# KiCad board Lime_RFE_fab.kicad_pcb (continued)
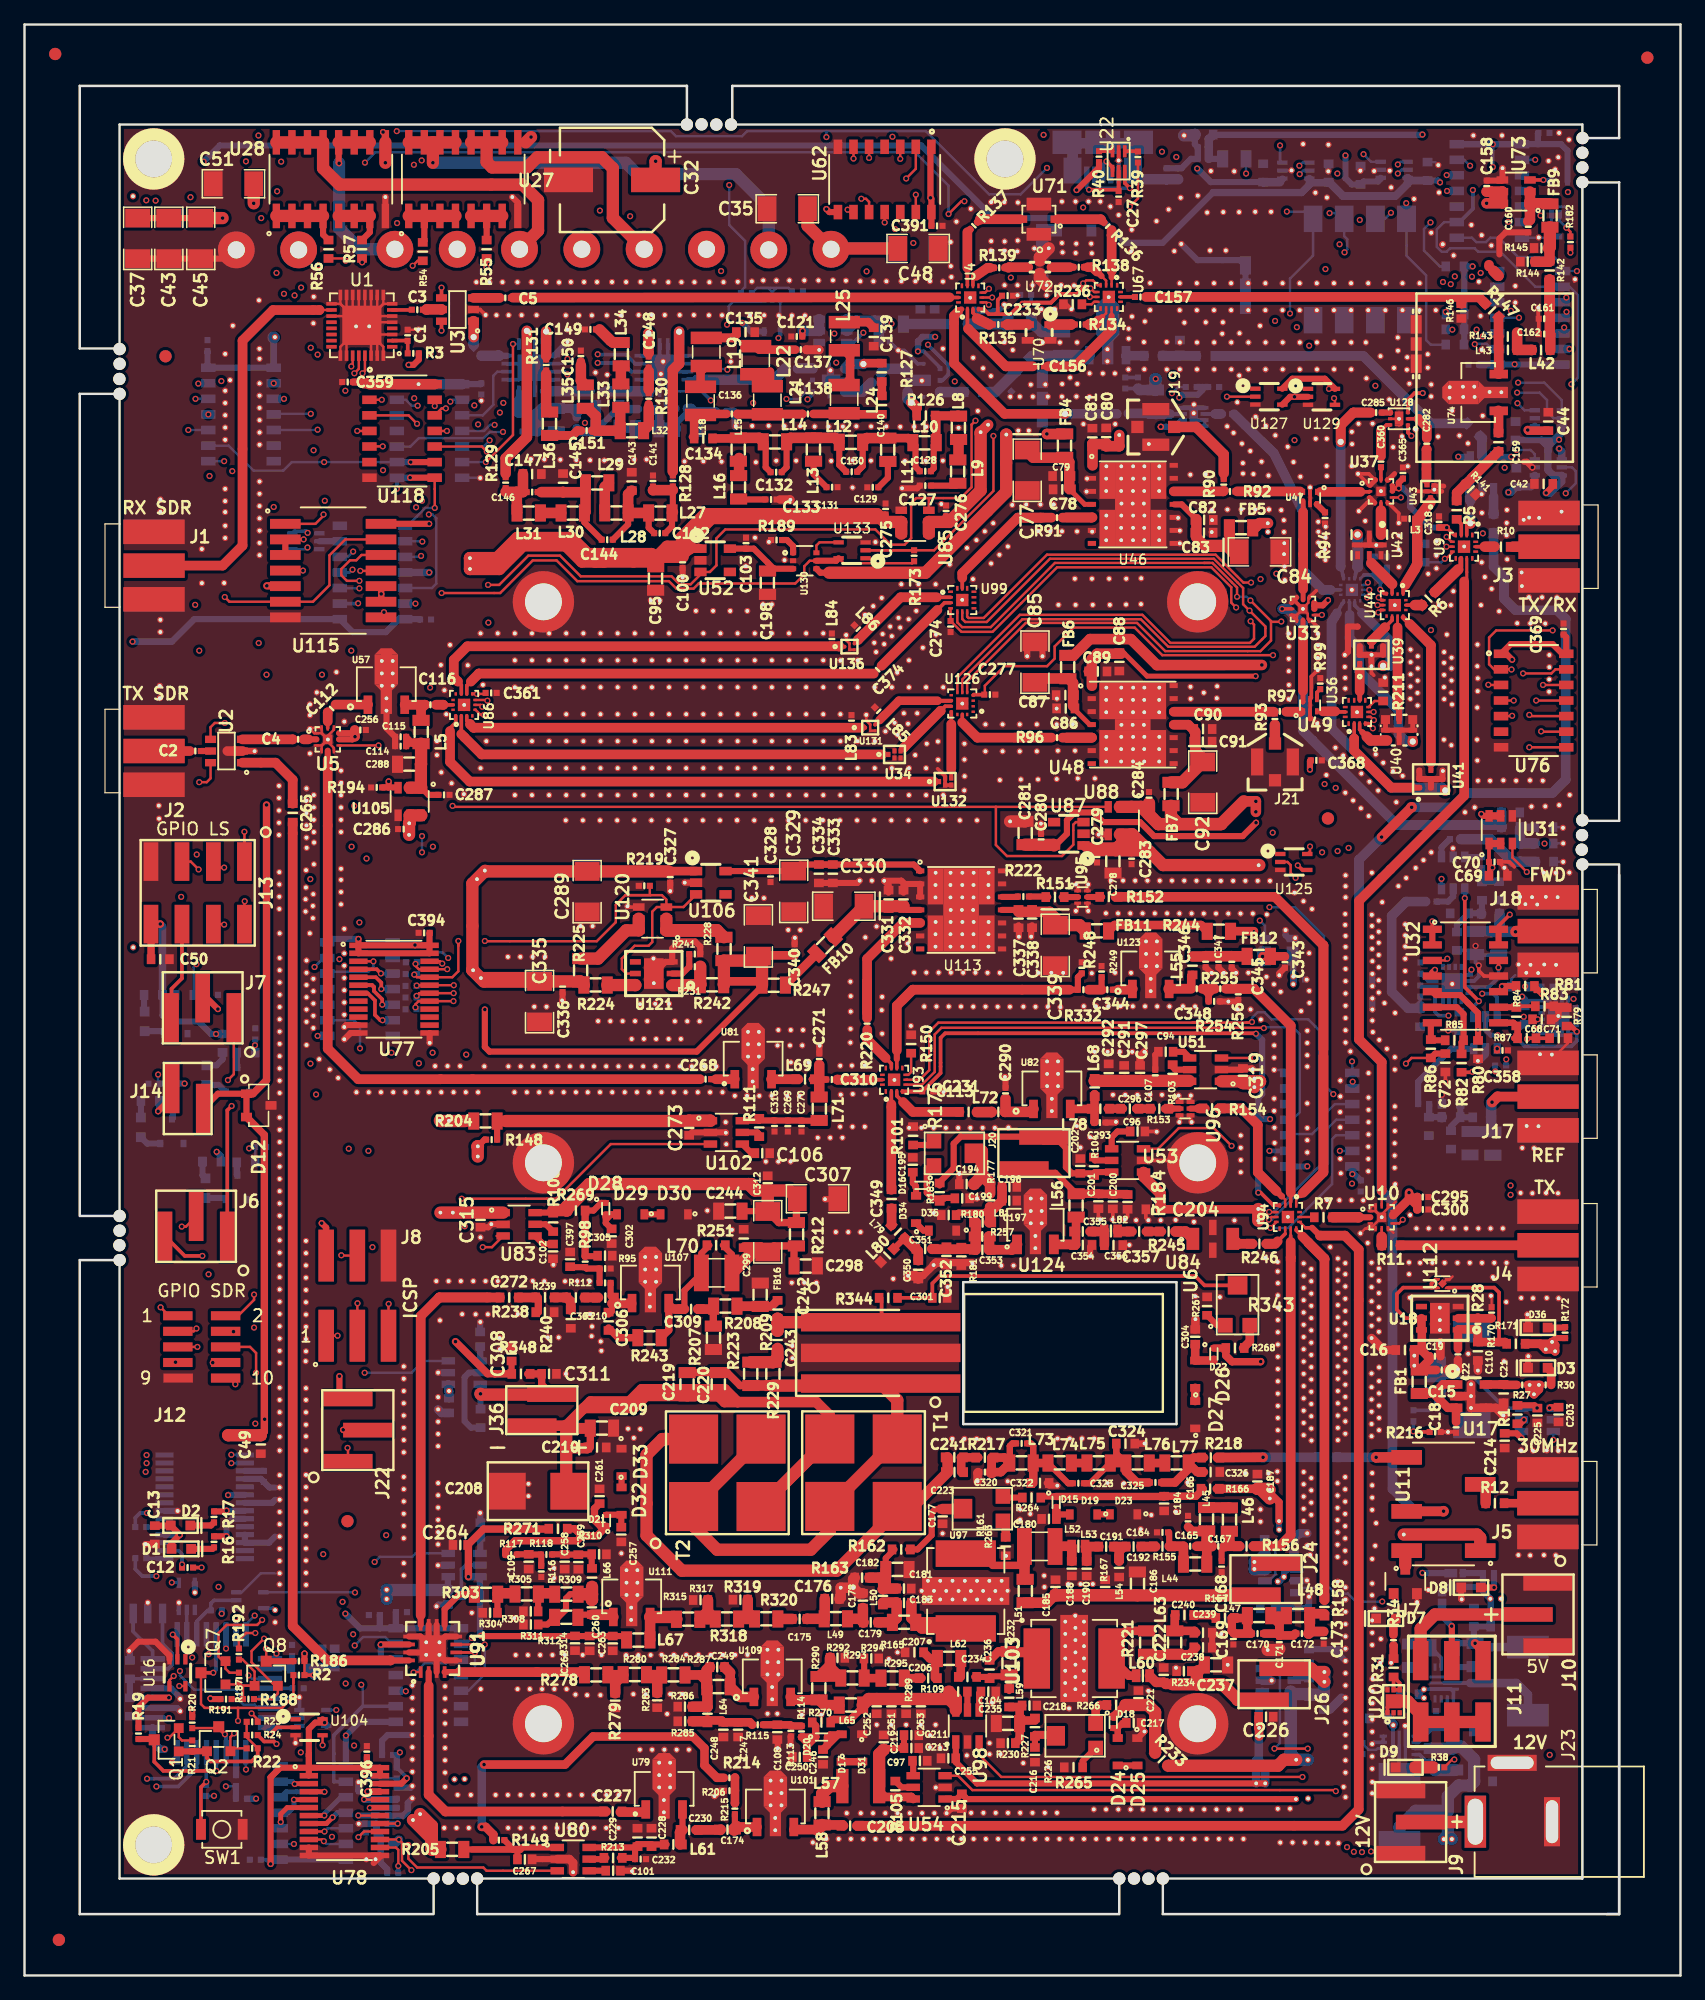
[diagram p0: board, top side]
## Placement (name value [footprint] x y rotation side) (continued)
GND_VIA#1470  VAL**  [GND_VIA]  67.35 78.56 90 top
GND_VIA#1471  VAL**  [GND_VIA]  67.33 81 90 top
GND_VIA#1472  VAL**  [GND_VIA]  67.34 77.15 90 top
GND_VIA#1473  VAL**  [GND_VIA]  67.33 76.03 90 top
GND_VIA#1474  VAL**  [GND_VIA]  68.5 74.17 90 top
GND_VIA#1475  VAL**  [GND_VIA]  67.45 74.15 90 top
GND_VIA#1476  VAL**  [GND_VIA]  66.5 74.14 90 top
GND_VIA#1477  VAL**  [GND_VIA]  62.48 74.42 90 top
GND_VIA#1478  VAL**  [GND_VIA]  63.9 74.39 90 top
GND_VIA#1479  VAL**  [GND_VIA]  66.54 71.79 90 top
GND_VIA#1480  VAL**  [GND_VIA]  67.52 71.84 90 top
GND_VIA#1481  VAL**  [GND_VIA]  68.56 71.85 90 top
GND_VIA#1482  VAL**  [GND_VIA]  62.18 71.68 90 top
GND_VIA#1483  VAL**  [GND_VIA]  63.18 71.68 90 top
GND_VIA#1484  VAL**  [GND_VIA]  68.55 84.6 90 top
GND_VIA#1485  VAL**  [GND_VIA]  69.46 85.49 90 top
GND_VIA#1486  VAL**  [GND_VIA]  71.99 84.11 90 top
GND_VIA#1487  VAL**  [GND_VIA]  70.64 82.88 90 top
GND_VIA#1488  VAL**  [GND_VIA]  80.33 78.95 90 top
GND_VIA#1489  VAL**  [GND_VIA]  79.33 78.95 90 top
GND_VIA#1490  VAL**  [GND_VIA]  77.35 78.96 90 top
GND_VIA#1491  VAL**  [GND_VIA]  78.35 78.96 90 top
GND_VIA#1492  VAL**  [GND_VIA]  74.35 78.97 90 top
GND_VIA#1493  VAL**  [GND_VIA]  73.35 78.97 90 top
GND_VIA#1494  VAL**  [GND_VIA]  75.35 78.97 90 top
GND_VIA#1495  VAL**  [GND_VIA]  76.35 78.97 90 top
GND_VIA#1496  VAL**  [GND_VIA]  81.43 78.96 90 top
GND_VIA#1497  VAL**  [GND_VIA]  82.42 78.95 90 top
GND_VIA#1498  VAL**  [GND_VIA]  83.42 78.95 90 top
GND_VIA#1499  VAL**  [GND_VIA]  84.45 78.91 90 top
GND_VIA#1500  VAL**  [GND_VIA]  95.42 78.98 90 top
GND_VIA#1501  VAL**  [GND_VIA]  94.44 78.98 90 top
GND_VIA#1502  VAL**  [GND_VIA]  89.35 78.99 90 top
GND_VIA#1503  VAL**  [GND_VIA]  88.35 78.99 90 top
GND_VIA#1504  VAL**  [GND_VIA]  86.35 78.99 90 top
GND_VIA#1505  VAL**  [GND_VIA]  87.35 78.99 90 top
GND_VIA#1506  VAL**  [GND_VIA]  91.35 78.98 90 top
GND_VIA#1507  VAL**  [GND_VIA]  90.35 78.98 90 top
GND_VIA#1508  VAL**  [GND_VIA]  92.34 78.98 90 top
GND_VIA#1509  VAL**  [GND_VIA]  93.34 78.98 90 top
GND_VIA#1510  VAL**  [GND_VIA]  88.9 81.72 90 top
GND_VIA#1511  VAL**  [GND_VIA]  90.21 81.71 90 top
GND_VIA#1512  VAL**  [GND_VIA]  87.01 81.68 90 top
GND_VIA#1513  VAL**  [GND_VIA]  84.68 81.72 90 top
GND_VIA#1514  VAL**  [GND_VIA]  83.71 81.72 90 top
GND_VIA#1515  VAL**  [GND_VIA]  82.67 81.71 90 top
GND_VIA#1516  VAL**  [GND_VIA]  75.52 81.73 90 top
GND_VIA#1517  VAL**  [GND_VIA]  74.52 81.73 90 top
GND_VIA#1518  VAL**  [GND_VIA]  72.52 81.73 90 top
GND_VIA#1519  VAL**  [GND_VIA]  73.52 81.73 90 top
GND_VIA#1520  VAL**  [GND_VIA]  77.52 81.73 90 top
GND_VIA#1521  VAL**  [GND_VIA]  76.52 81.73 90 top
GND_VIA#1522  VAL**  [GND_VIA]  78.51 81.72 90 top
GND_VIA#1523  VAL**  [GND_VIA]  79.51 81.72 90 top
GND_VIA#1524  VAL**  [GND_VIA]  34.57 56.59 90 top
GND_VIA#1525  VAL**  [GND_VIA]  33.57 56.59 90 top
GND_VIA#1526  VAL**  [GND_VIA]  35.57 56.59 90 top
GND_VIA#1527  VAL**  [GND_VIA]  42.37 56.59 90 top
GND_VIA#1528  VAL**  [GND_VIA]  41.43 56.6 90 top
GND_VIA#1529  VAL**  [GND_VIA]  37.58 56.59 90 top
GND_VIA#1530  VAL**  [GND_VIA]  38.58 56.59 90 top
GND_VIA#1531  VAL**  [GND_VIA]  36.58 56.59 90 top
GND_VIA#1532  VAL**  [GND_VIA]  36.77 53.88 90 top
GND_VIA#1533  VAL**  [GND_VIA]  37.77 53.88 90 top
GND_VIA#1534  VAL**  [GND_VIA]  33.87 53.39 90 top
GND_VIA#1535  VAL**  [GND_VIA]  44.06 56.58 90 top
GND_VIA#1536  VAL**  [GND_VIA]  46.06 56.58 90 top
GND_VIA#1537  VAL**  [GND_VIA]  45.06 56.58 90 top
GND_VIA#1538  VAL**  [GND_VIA]  46.11 53.89 90 top
GND_VIA#1539  VAL**  [GND_VIA]  104.75 79.26 180 top
GND_VIA#1540  VAL**  [GND_VIA]  104.74 80.24 180 top
GND_VIA#1541  VAL**  [GND_VIA]  120.56 97.4 180 top
GND_VIA#1542  VAL**  [GND_VIA]  121.6 97.37 180 top
GND_VIA#1543  VAL**  [GND_VIA]  123.98 95.28 180 top
GND_VIA#1544  VAL**  [GND_VIA]  118.48 97.37 180 top
GND_VIA#1545  VAL**  [GND_VIA]  125.97 96.21 180 top
GND_VIA#1546  VAL**  [GND_VIA]  125.11 95.38 180 top
GND_VIA#1547  VAL**  [GND_VIA]  112.88 57.15 90 top
GND_VIA#1548  VAL**  [GND_VIA]  109.82 58.09 0 top
GND_VIA#1549  VAL**  [GND_VIA]  109.82 57.09 0 top
GND_VIA#1550  VAL**  [GND_VIA]  109.82 56.09 0 top
GND_VIA#1551  VAL**  [GND_VIA]  122.46 69.24 0 top
GND_VIA#1552  VAL**  [GND_VIA]  123.42 69.21 0 top
GND_VIA#1553  VAL**  [GND_VIA]  123.07 67.42 0 top
GND_VIA#1554  VAL**  [GND_VIA]  122.1 67.45 0 top
GND_VIA#1555  VAL**  [GND_VIA]  123.55 75.08 0 top
GND_VIA#1556  VAL**  [GND_VIA]  124.52 75.05 0 top
GND_VIA#1557  VAL**  [GND_VIA]  122.43 81.72 0 top
GND_VIA#1558  VAL**  [GND_VIA]  123.4 81.69 0 top
GND_VIA#1559  VAL**  [GND_VIA]  123.32 87.28 0 top
GND_VIA#1560  VAL**  [GND_VIA]  122.36 87.31 0 top
GND_VIA#1561  VAL**  [GND_VIA]  124.99 87.88 0 top
GND_VIA#1562  VAL**  [GND_VIA]  124.02 87.9 0 top
GND_VIA#1563  VAL**  [GND_VIA]  121.94 87.9 0 top
GND_VIA#1564  VAL**  [GND_VIA]  122.9 87.88 0 top
GND_VIA#1565  VAL**  [GND_VIA]  122.78 82.37 0 top
GND_VIA#1566  VAL**  [GND_VIA]  121.81 82.39 0 top
GND_VIA#1567  VAL**  [GND_VIA]  123.89 82.39 0 top
GND_VIA#1568  VAL**  [GND_VIA]  124.86 82.37 0 top
GND_VIA#1569  VAL**  [GND_VIA]  124.82 89.86 0 top
GND_VIA#1570  VAL**  [GND_VIA]  123.86 89.89 0 top
GND_VIA#1571  VAL**  [GND_VIA]  125.94 89.89 0 top
GND_VIA#1572  VAL**  [GND_VIA]  124.94 112.31 0 top
GND_VIA#1573  VAL**  [GND_VIA]  122.65 112.33 0 top
GND_VIA#1574  VAL**  [GND_VIA]  123.72 112.32 0 top
GND_VIA#1575  VAL**  [GND_VIA]  123.47 118.79 0 top
GND_VIA#1576  VAL**  [GND_VIA]  122.66 118.82 0 top
GND_VIA#1577  VAL**  [GND_VIA]  125.3 119.3 0 top
GND_VIA#1578  VAL**  [GND_VIA]  88.38 136.78 90 top
GND_VIA#1579  VAL**  [GND_VIA]  115.96 109.28 0 top
GND_VIA#1580  VAL**  [GND_VIA]  116.28 111.68 0 top
GND_VIA#1581  VAL**  [GND_VIA]  118.74 111.68 0 top
GND_VIA#1582  VAL**  [GND_VIA]  119.05 113.97 0 top
GND_VIA#1583  VAL**  [GND_VIA]  119.61 113.01 0 top
GND_VIA#1584  VAL**  [GND_VIA]  118.45 108.47 0 top
GND_VIA#1585  VAL**  [GND_VIA]  118.44 99.02 0 top
GND_VIA#1586  VAL**  [GND_VIA]  118.42 100.72 0 top
GND_VIA#1587  VAL**  [GND_VIA]  115.74 104.01 0 top
GND_VIA#1588  VAL**  [GND_VIA]  118.43 103.33 0 top
GND_VIA#1589  VAL**  [GND_VIA]  115.71 100.72 0 top
GND_VIA#1590  VAL**  [GND_VIA]  16.98 134.45 0 top
GND_VIA#1591  VAL**  [GND_VIA]  19.11 136.52 0 top
GND_VIA#1592  VAL**  [GND_VIA]  19.15 132.58 0 top
GND_VIA#1593  VAL**  [GND_VIA]  52.06 131.53 0 top
GND_VIA#1594  VAL**  [GND_VIA]  51.87 130.52 0 top
GND_VIA#1595  VAL**  [GND_VIA]  80.02 34.19 0 top
GND_VIA#1596  VAL**  [GND_VIA]  125.11 150.17 90 top
GND_VIA#1597  VAL**  [GND_VIA]  126.41 138.23 0 top
GND_VIA#1598  VAL**  [GND_VIA]  53.94 96.21 0 top
GND_VIA#1599  VAL**  [GND_VIA]  76.45 103.66 90 top
GND_VIA#1600  VAL**  [GND_VIA]  66.99 109.24 0 top
GND_VIA#1601  VAL**  [GND_VIA]  68.62 102.74 0 top
GND_VIA#1602  VAL**  [GND_VIA]  76.62 99.09 0 top
GND_VIA#1603  VAL**  [GND_VIA]  76.62 100.39 0 top
GND_VIA#1604  VAL**  [GND_VIA]  76.64 97.73 0 top
GND_VIA#1605  VAL**  [GND_VIA]  71.68 102.87 0 top
GND_VIA#1606  VAL**  [GND_VIA]  71.15 106.18 0 top
GND_VIA#1607  VAL**  [GND_VIA]  74.9 96.2 0 top
GND_VIA#1608  VAL**  [GND_VIA]  73.23 108.21 0 top
GND_VIA#1609  VAL**  [GND_VIA]  73.5 98.39 0 top
GND_VIA#1610  VAL**  [GND_VIA]  73.5 104.99 0 top
GND_VIA#1611  VAL**  [GND_VIA]  73.5 96.2 0 top
GND_VIA#1612  VAL**  [GND_VIA]  74.47 100.57 0 top
GND_VIA#1613  VAL**  [GND_VIA]  74.9 104.99 0 top
GND_VIA#1614  VAL**  [GND_VIA]  74.48 99.08 0 top
GND_VIA#1615  VAL**  [GND_VIA]  72.03 102.01 0 top
GND_VIA#1616  VAL**  [GND_VIA]  74.3 109.28 0 top
GND_VIA#1617  VAL**  [GND_VIA]  72.1 96.2 0 top
GND_VIA#1618  VAL**  [GND_VIA]  66.52 96.2 0 top
GND_VIA#1619  VAL**  [GND_VIA]  69.42 107.86 0 top
GND_VIA#1620  VAL**  [GND_VIA]  69.31 98.39 0 top
GND_VIA#1621  VAL**  [GND_VIA]  69.31 104.99 0 top
GND_VIA#1622  VAL**  [GND_VIA]  69.31 100.59 0 top
GND_VIA#1623  VAL**  [GND_VIA]  67.91 96.2 0 top
GND_VIA#1624  VAL**  [GND_VIA]  67.91 100.59 0 top
GND_VIA#1625  VAL**  [GND_VIA]  67.91 104.99 0 top
GND_VIA#1626  VAL**  [GND_VIA]  67.91 98.39 0 top
GND_VIA#1627  VAL**  [GND_VIA]  67.91 107.18 0 top
GND_VIA#1628  VAL**  [GND_VIA]  69.31 96.2 0 top
GND_VIA#1629  VAL**  [GND_VIA]  70.08 108.5 0 top
GND_VIA#1630  VAL**  [GND_VIA]  70.71 98.39 0 top
GND_VIA#1631  VAL**  [GND_VIA]  70.71 104.99 0 top
GND_VIA#1632  VAL**  [GND_VIA]  71.18 101.1 0 top
GND_VIA#1633  VAL**  [GND_VIA]  70.71 96.2 0 top
GND_VIA#1634  VAL**  [GND_VIA]  72.78 102.87 0 top
GND_VIA#1635  VAL**  [GND_VIA]  72.1 104.99 0 top
GND_VIA#1636  VAL**  [GND_VIA]  72.1 98.39 0 top
GND_VIA#1637  VAL**  [GND_VIA]  72.1 107.18 0 top
GND_VIA#1638  VAL**  [GND_VIA]  60.93 109.38 0 top
GND_VIA#1639  VAL**  [GND_VIA]  60.93 107.18 0 top
GND_VIA#1640  VAL**  [GND_VIA]  60.93 98.39 0 top
GND_VIA#1641  VAL**  [GND_VIA]  60.93 104.99 0 top
GND_VIA#1642  VAL**  [GND_VIA]  60.93 100.59 0 top
GND_VIA#1643  VAL**  [GND_VIA]  60.93 102.79 0 top
GND_VIA#1644  VAL**  [GND_VIA]  59.53 96.2 0 top
GND_VIA#1645  VAL**  [GND_VIA]  59.53 102.79 0 top
GND_VIA#1646  VAL**  [GND_VIA]  59.53 100.59 0 top
GND_VIA#1647  VAL**  [GND_VIA]  59.53 104.99 0 top
GND_VIA#1648  VAL**  [GND_VIA]  59.53 98.39 0 top
GND_VIA#1649  VAL**  [GND_VIA]  59.53 107.18 0 top
GND_VIA#1650  VAL**  [GND_VIA]  59.53 109.38 0 top
GND_VIA#1651  VAL**  [GND_VIA]  58.13 96.2 0 top
GND_VIA#1652  VAL**  [GND_VIA]  56.74 109.38 0 top
GND_VIA#1653  VAL**  [GND_VIA]  56.74 107.18 0 top
GND_VIA#1654  VAL**  [GND_VIA]  56.74 98.39 0 top
GND_VIA#1655  VAL**  [GND_VIA]  56.74 104.99 0 top
GND_VIA#1656  VAL**  [GND_VIA]  56.74 100.59 0 top
GND_VIA#1657  VAL**  [GND_VIA]  56.74 102.79 0 top
GND_VIA#1658  VAL**  [GND_VIA]  56.74 96.2 0 top
GND_VIA#1659  VAL**  [GND_VIA]  58.13 102.79 0 top
GND_VIA#1660  VAL**  [GND_VIA]  58.13 100.59 0 top
GND_VIA#1661  VAL**  [GND_VIA]  58.13 104.99 0 top
GND_VIA#1662  VAL**  [GND_VIA]  58.13 98.39 0 top
GND_VIA#1663  VAL**  [GND_VIA]  58.13 107.18 0 top
GND_VIA#1664  VAL**  [GND_VIA]  58.13 109.38 0 top
GND_VIA#1665  VAL**  [GND_VIA]  55.34 96.2 0 top
GND_VIA#1666  VAL**  [GND_VIA]  60.93 96.2 0 top
GND_VIA#1667  VAL**  [GND_VIA]  63.72 109.38 0 top
GND_VIA#1668  VAL**  [GND_VIA]  63.72 107.18 0 top
GND_VIA#1669  VAL**  [GND_VIA]  63.72 98.39 0 top
GND_VIA#1670  VAL**  [GND_VIA]  63.72 104.99 0 top
GND_VIA#1671  VAL**  [GND_VIA]  63.72 100.59 0 top
GND_VIA#1672  VAL**  [GND_VIA]  63.72 102.79 0 top
GND_VIA#1673  VAL**  [GND_VIA]  62.32 96.2 0 top
GND_VIA#1674  VAL**  [GND_VIA]  62.32 102.79 0 top
GND_VIA#1675  VAL**  [GND_VIA]  62.32 100.59 0 top
GND_VIA#1676  VAL**  [GND_VIA]  62.32 104.99 0 top
GND_VIA#1677  VAL**  [GND_VIA]  62.32 98.39 0 top
GND_VIA#1678  VAL**  [GND_VIA]  62.32 107.18 0 top
GND_VIA#1679  VAL**  [GND_VIA]  62.32 109.38 0 top
GND_VIA#1680  VAL**  [GND_VIA]  63.72 96.2 0 top
GND_VIA#1681  VAL**  [GND_VIA]  65.12 109.38 0 top
GND_VIA#1682  VAL**  [GND_VIA]  65.12 107.18 0 top
GND_VIA#1683  VAL**  [GND_VIA]  65.12 98.39 0 top
GND_VIA#1684  VAL**  [GND_VIA]  65.12 104.99 0 top
GND_VIA#1685  VAL**  [GND_VIA]  65.12 100.59 0 top
GND_VIA#1686  VAL**  [GND_VIA]  65.12 102.79 0 top
GND_VIA#1687  VAL**  [GND_VIA]  65.12 96.2 0 top
GND_VIA#1688  VAL**  [GND_VIA]  66.52 102.79 0 top
GND_VIA#1689  VAL**  [GND_VIA]  66.52 100.59 0 top
GND_VIA#1690  VAL**  [GND_VIA]  66.52 104.99 0 top
GND_VIA#1691  VAL**  [GND_VIA]  66.52 98.39 0 top
GND_VIA#1692  VAL**  [GND_VIA]  66.52 107.18 0 top
GND_VIA#1693  VAL**  [GND_VIA]  44.16 109.38 0 top
GND_VIA#1694  VAL**  [GND_VIA]  44.16 107.18 0 top
GND_VIA#1695  VAL**  [GND_VIA]  44.16 98.39 0 top
GND_VIA#1696  VAL**  [GND_VIA]  44.16 104.99 0 top
GND_VIA#1697  VAL**  [GND_VIA]  44.16 100.59 0 top
GND_VIA#1698  VAL**  [GND_VIA]  44.16 102.79 0 top
GND_VIA#1699  VAL**  [GND_VIA]  42.77 96.2 0 top
GND_VIA#1700  VAL**  [GND_VIA]  42.77 102.79 0 top
GND_VIA#1701  VAL**  [GND_VIA]  42.77 100.59 0 top
GND_VIA#1702  VAL**  [GND_VIA]  42.77 104.99 0 top
GND_VIA#1703  VAL**  [GND_VIA]  42.77 98.39 0 top
GND_VIA#1704  VAL**  [GND_VIA]  42.77 107.18 0 top
GND_VIA#1705  VAL**  [GND_VIA]  42.77 109.38 0 top
GND_VIA#1706  VAL**  [GND_VIA]  41.37 96.2 0 top
GND_VIA#1707  VAL**  [GND_VIA]  39.97 109.38 0 top
GND_VIA#1708  VAL**  [GND_VIA]  39.97 107.18 0 top
GND_VIA#1709  VAL**  [GND_VIA]  39.97 98.39 0 top
GND_VIA#1710  VAL**  [GND_VIA]  39.97 104.99 0 top
GND_VIA#1711  VAL**  [GND_VIA]  39.97 100.59 0 top
GND_VIA#1712  VAL**  [GND_VIA]  39.97 102.79 0 top
GND_VIA#1713  VAL**  [GND_VIA]  39.97 96.2 0 top
GND_VIA#1714  VAL**  [GND_VIA]  41.37 102.79 0 top
GND_VIA#1715  VAL**  [GND_VIA]  41.37 100.59 0 top
GND_VIA#1716  VAL**  [GND_VIA]  41.37 104.99 0 top
GND_VIA#1717  VAL**  [GND_VIA]  41.37 98.39 0 top
GND_VIA#1718  VAL**  [GND_VIA]  41.37 107.18 0 top
GND_VIA#1719  VAL**  [GND_VIA]  41.37 109.38 0 top
GND_VIA#1720  VAL**  [GND_VIA]  36.14 106.78 0 top
GND_VIA#1721  VAL**  [GND_VIA]  35.84 103.55 0 top
GND_VIA#1722  VAL**  [GND_VIA]  33.98 98.05 0 top
GND_VIA#1723  VAL**  [GND_VIA]  34.38 102.79 0 top
GND_VIA#1724  VAL**  [GND_VIA]  33.62 100.59 0 top
GND_VIA#1725  VAL**  [GND_VIA]  34.23 104.75 0 top
GND_VIA#1726  VAL**  [GND_VIA]  33.62 99.46 0 top
GND_VIA#1727  VAL**  [GND_VIA]  33.94 106.8 0 top
GND_VIA#1728  VAL**  [GND_VIA]  34.69 108.44 0 top
GND_VIA#1729  VAL**  [GND_VIA]  35.82 96.27 0 top
GND_VIA#1730  VAL**  [GND_VIA]  37.18 109.38 0 top
GND_VIA#1731  VAL**  [GND_VIA]  37.18 98.39 0 top
GND_VIA#1732  VAL**  [GND_VIA]  37.37 105.19 0 top
GND_VIA#1733  VAL**  [GND_VIA]  37.65 100.59 0 top
GND_VIA#1734  VAL**  [GND_VIA]  38.58 109.38 0 top
GND_VIA#1735  VAL**  [GND_VIA]  49.75 109.38 0 top
GND_VIA#1736  VAL**  [GND_VIA]  49.75 107.18 0 top
GND_VIA#1737  VAL**  [GND_VIA]  49.75 98.39 0 top
GND_VIA#1738  VAL**  [GND_VIA]  49.75 104.99 0 top
GND_VIA#1739  VAL**  [GND_VIA]  49.75 100.59 0 top
GND_VIA#1740  VAL**  [GND_VIA]  49.75 102.79 0 top
GND_VIA#1741  VAL**  [GND_VIA]  48.35 96.2 0 top
GND_VIA#1742  VAL**  [GND_VIA]  48.35 102.79 0 top
GND_VIA#1743  VAL**  [GND_VIA]  48.35 100.59 0 top
GND_VIA#1744  VAL**  [GND_VIA]  48.35 104.99 0 top
GND_VIA#1745  VAL**  [GND_VIA]  48.35 98.39 0 top
GND_VIA#1746  VAL**  [GND_VIA]  48.35 107.18 0 top
GND_VIA#1747  VAL**  [GND_VIA]  48.35 109.38 0 top
GND_VIA#1748  VAL**  [GND_VIA]  46.96 96.2 0 top
GND_VIA#1749  VAL**  [GND_VIA]  45.56 109.38 0 top
GND_VIA#1750  VAL**  [GND_VIA]  45.56 107.18 0 top
GND_VIA#1751  VAL**  [GND_VIA]  45.56 98.39 0 top
GND_VIA#1752  VAL**  [GND_VIA]  45.56 104.99 0 top
GND_VIA#1753  VAL**  [GND_VIA]  45.56 100.59 0 top
GND_VIA#1754  VAL**  [GND_VIA]  45.56 102.79 0 top
GND_VIA#1755  VAL**  [GND_VIA]  45.56 96.2 0 top
GND_VIA#1756  VAL**  [GND_VIA]  46.96 102.79 0 top
GND_VIA#1757  VAL**  [GND_VIA]  46.96 100.59 0 top
GND_VIA#1758  VAL**  [GND_VIA]  46.96 104.99 0 top
GND_VIA#1759  VAL**  [GND_VIA]  46.96 98.39 0 top
GND_VIA#1760  VAL**  [GND_VIA]  46.96 107.18 0 top
GND_VIA#1761  VAL**  [GND_VIA]  46.96 109.38 0 top
GND_VIA#1762  VAL**  [GND_VIA]  44.16 96.2 0 top
GND_VIA#1763  VAL**  [GND_VIA]  49.75 96.2 0 top
GND_VIA#1764  VAL**  [GND_VIA]  52.55 109.38 0 top
GND_VIA#1765  VAL**  [GND_VIA]  52.55 107.18 0 top
GND_VIA#1766  VAL**  [GND_VIA]  52.55 98.39 0 top
GND_VIA#1767  VAL**  [GND_VIA]  52.55 104.99 0 top
GND_VIA#1768  VAL**  [GND_VIA]  52.55 100.59 0 top
GND_VIA#1769  VAL**  [GND_VIA]  52.55 102.79 0 top
GND_VIA#1770  VAL**  [GND_VIA]  51.15 96.2 0 top
GND_VIA#1771  VAL**  [GND_VIA]  51.15 102.79 0 top
GND_VIA#1772  VAL**  [GND_VIA]  51.15 100.59 0 top
GND_VIA#1773  VAL**  [GND_VIA]  51.15 104.99 0 top
GND_VIA#1774  VAL**  [GND_VIA]  51.15 98.39 0 top
GND_VIA#1775  VAL**  [GND_VIA]  51.15 107.18 0 top
GND_VIA#1776  VAL**  [GND_VIA]  51.15 109.38 0 top
GND_VIA#1777  VAL**  [GND_VIA]  52.55 96.2 0 top
GND_VIA#1778  VAL**  [GND_VIA]  53.94 109.38 0 top
GND_VIA#1779  VAL**  [GND_VIA]  53.94 107.18 0 top
GND_VIA#1780  VAL**  [GND_VIA]  53.94 98.39 0 top
GND_VIA#1781  VAL**  [GND_VIA]  53.94 104.99 0 top
GND_VIA#1782  VAL**  [GND_VIA]  53.94 100.59 0 top
GND_VIA#1783  VAL**  [GND_VIA]  53.94 102.79 0 top
GND_VIA#1784  VAL**  [GND_VIA]  53.94 96.2 0 top
GND_VIA#1785  VAL**  [GND_VIA]  55.34 102.79 0 top
GND_VIA#1786  VAL**  [GND_VIA]  55.34 100.59 0 top
GND_VIA#1787  VAL**  [GND_VIA]  55.34 104.99 0 top
GND_VIA#1788  VAL**  [GND_VIA]  55.34 98.39 0 top
GND_VIA#1789  VAL**  [GND_VIA]  55.34 107.18 0 top
GND_VIA#1790  VAL**  [GND_VIA]  55.34 109.38 0 top
GND_VIA#1791  VAL**  [GND_VIA]  34.82 97.16 0 top
GND_VIA#1792  VAL**  [GND_VIA]  69.19 111.6 0 top
GND_VIA#1793  VAL**  [GND_VIA]  69.88 112.27 0 top
GND_VIA#1794  VAL**  [GND_VIA]  68.51 110.89 0 top
GND_VIA#1795  VAL**  [GND_VIA]  70.71 109.15 0 top
GND_VIA#1796  VAL**  [GND_VIA]  72.08 110.53 0 top
GND_VIA#1797  VAL**  [GND_VIA]  71.39 109.86 0 top
GND_VIA#1798  VAL**  [GND_VIA]  72.7 111.21 0 top
GND_VIA#1799  VAL**  [GND_VIA]  70.57 109.93 0 top
GND_VIA#1800  VAL**  [GND_VIA]  71.25 110.64 0 top
GND_VIA#1801  VAL**  [GND_VIA]  69.27 108.61 0 top
GND_VIA#1802  VAL**  [GND_VIA]  69.95 109.32 0 top
GND_VIA#1803  VAL**  [GND_VIA]  74.27 113.38 0 top
GND_VIA#1804  VAL**  [GND_VIA]  71.48 113.38 0 top
GND_VIA#1805  VAL**  [GND_VIA]  72.88 113.38 0 top
GND_VIA#1806  VAL**  [GND_VIA]  70.19 101.39 0 top
GND_VIA#1807  VAL**  [GND_VIA]  70.93 102.09 0 top
GND_VIA#1808  VAL**  [GND_VIA]  72.61 99.46 0 top
GND_VIA#1809  VAL**  [GND_VIA]  73.55 100.39 0 top
GND_VIA#1810  VAL**  [GND_VIA]  76.61 96.58 0 top
GND_VIA#1811  VAL**  [GND_VIA]  81.13 99.77 0 top
GND_VIA#1812  VAL**  [GND_VIA]  81.13 101.96 0 top
GND_VIA#1813  VAL**  [GND_VIA]  82.53 101.96 0 top
GND_VIA#1814  VAL**  [GND_VIA]  82.53 99.77 0 top
GND_VIA#1815  VAL**  [GND_VIA]  78.34 99.77 0 top
GND_VIA#1816  VAL**  [GND_VIA]  78.34 101.96 0 top
GND_VIA#1817  VAL**  [GND_VIA]  79.74 101.96 0 top
GND_VIA#1818  VAL**  [GND_VIA]  79.74 99.77 0 top
GND_VIA#1819  VAL**  [GND_VIA]  85.64 99.82 0 top
GND_VIA#1820  VAL**  [GND_VIA]  84.24 99.82 0 top
GND_VIA#1821  VAL**  [GND_VIA]  75.43 115 0 top
GND_VIA#1822  VAL**  [GND_VIA]  77.32 113.8 0 top
GND_VIA#1823  VAL**  [GND_VIA]  85.81 117.69 0 top
GND_VIA#1824  VAL**  [GND_VIA]  100.61 90.48 90 top
GND_VIA#1825  VAL**  [GND_VIA]  58.81 114.85 0 top
GND_VIA#1826  VAL**  [GND_VIA]  102.13 41.07 0 top
GND_VIA#1827  VAL**  [GND_VIA]  102.14 40.28 0 top
GND_VIA#1828  VAL**  [GND_VIA]  104.9 44.58 0 top
GND_VIA#1829  VAL**  [GND_VIA]  104.9 57.58 0 top
GND_VIA#1830  VAL**  [GND_VIA]  104.9 55.58 0 top
GND_VIA#1831  VAL**  [GND_VIA]  104.9 56.58 0 top
GND_VIA#1832  VAL**  [GND_VIA]  104.9 54.58 0 top
GND_VIA#1833  VAL**  [GND_VIA]  104.9 53.58 0 top
GND_VIA#1834  VAL**  [GND_VIA]  104.9 45.58 0 top
GND_VIA#1835  VAL**  [GND_VIA]  104.9 46.58 0 top
GND_VIA#1836  VAL**  [GND_VIA]  104.9 48.58 0 top
GND_VIA#1837  VAL**  [GND_VIA]  104.9 47.58 0 top
GND_VIA#1838  VAL**  [GND_VIA]  104.9 51.58 0 top
GND_VIA#1839  VAL**  [GND_VIA]  104.9 52.58 0 top
GND_VIA#1840  VAL**  [GND_VIA]  104.9 50.58 0 top
GND_VIA#1841  VAL**  [GND_VIA]  104.9 49.58 0 top
GND_VIA#1842  VAL**  [GND_VIA]  104.92 43.6 0 top
GND_VIA#1843  VAL**  [GND_VIA]  107.68 58.05 0 top
GND_VIA#1844  VAL**  [GND_VIA]  106.44 59.37 0 top
GND_VIA#1845  VAL**  [GND_VIA]  107.68 54.15 0 top
GND_VIA#1846  VAL**  [GND_VIA]  107.68 55.15 0 top
GND_VIA#1847  VAL**  [GND_VIA]  107.68 57.15 0 top
GND_VIA#1848  VAL**  [GND_VIA]  107.68 56.15 0 top
GND_VIA#1849  VAL**  [GND_VIA]  107.68 52.15 0 top
GND_VIA#1850  VAL**  [GND_VIA]  107.68 53.15 0 top
GND_VIA#1851  VAL**  [GND_VIA]  107.68 51.15 0 top
GND_VIA#1852  VAL**  [GND_VIA]  107.68 50.15 0 top
GND_VIA#1853  VAL**  [GND_VIA]  107.68 45.15 0 top
GND_VIA#1854  VAL**  [GND_VIA]  107.68 44.15 0 top
GND_VIA#1855  VAL**  [GND_VIA]  107.68 48.15 0 top
GND_VIA#1856  VAL**  [GND_VIA]  107.68 49.15 0 top
GND_VIA#1857  VAL**  [GND_VIA]  107.68 47.15 0 top
GND_VIA#1858  VAL**  [GND_VIA]  107.68 46.15 0 top
GND_VIA#1859  VAL**  [GND_VIA]  102.16 57.37 0 top
GND_VIA#1860  VAL**  [GND_VIA]  102.16 58.15 0 top
GND_VIA#1861  VAL**  [GND_VIA]  101.16 58.49 0 top
GND_VIA#1862  VAL**  [GND_VIA]  107.04 34.11 0 top
GND_VIA#1863  VAL**  [GND_VIA]  107.04 35.11 0 top
GND_VIA#1864  VAL**  [GND_VIA]  107.04 37.11 0 top
GND_VIA#1865  VAL**  [GND_VIA]  107.04 36.11 0 top
GND_VIA#1866  VAL**  [GND_VIA]  107.04 40.11 0 top
GND_VIA#1867  VAL**  [GND_VIA]  107.04 39.11 0 top
GND_VIA#1868  VAL**  [GND_VIA]  107.04 38.11 0 top
GND_VIA#1869  VAL**  [GND_VIA]  107.06 32.09 0 top
GND_VIA#1870  VAL**  [GND_VIA]  107.69 33.65 0 top
GND_VIA#1871  VAL**  [GND_VIA]  104.9 40.54 0 top
GND_VIA#1872  VAL**  [GND_VIA]  104.9 39.54 0 top
GND_VIA#1873  VAL**  [GND_VIA]  104.9 38.54 0 top
GND_VIA#1874  VAL**  [GND_VIA]  104.81 34.27 0 top
GND_VIA#1875  VAL**  [GND_VIA]  104.9 37.54 0 top
GND_VIA#1876  VAL**  [GND_VIA]  112.98 104.04 0 top
GND_VIA#1877  VAL**  [GND_VIA]  112.99 105.04 0 top
GND_VIA#1878  VAL**  [GND_VIA]  113 106.04 0 top
GND_VIA#1879  VAL**  [GND_VIA]  113 107.03 0 top
GND_VIA#1880  VAL**  [GND_VIA]  113 108.06 0 top
GND_VIA#1881  VAL**  [GND_VIA]  113.57 103.5 0 top
GND_VIA#1882  VAL**  [GND_VIA]  60.69 116.84 0 top
GND_VIA#1883  VAL**  [GND_VIA]  53.65 113.93 0 top
GND_VIA#1884  VAL**  [GND_VIA]  74.74 119.92 0 top
GND_VIA#1885  VAL**  [GND_VIA]  76.45 112.11 0 top
GND_VIA#1886  VAL**  [GND_VIA]  87.57 92.98 90 top
GND_VIA#1887  VAL**  [GND_VIA]  82.86 93.88 90 top
GND_VIA#1888  VAL**  [GND_VIA]  80.35 94.05 90 top
GND_VIA#1889  VAL**  [GND_VIA]  31.35 92.96 0 top
GND_VIA#1890  VAL**  [GND_VIA]  31.36 93.9 0 top
GND_VIA#1891  VAL**  [GND_VIA]  51.06 112.06 0 top
GND_VIA#1892  VAL**  [GND_VIA]  51.78 112.06 0 top
GND_VIA#1893  VAL**  [GND_VIA]  60.93 111.74 0 top
GND_VIA#1894  VAL**  [GND_VIA]  60.2 111.74 0 top
GND_VIA#1895  VAL**  [GND_VIA]  59.56 117.18 0 top
GND_VIA#1896  VAL**  [GND_VIA]  61.96 115.35 0 top
GND_VIA#1897  VAL**  [GND_VIA]  69.37 116.82 0 top
GND_VIA#1898  VAL**  [GND_VIA]  110.41 55.61 0 top
GND_VIA#1899  VAL**  [GND_VIA]  110.41 56.61 0 top
GND_VIA#1900  VAL**  [GND_VIA]  110.41 57.61 0 top
GND_VIA#1901  VAL**  [GND_VIA]  110.41 54.46 0 top
GND_VIA#1902  VAL**  [GND_VIA]  110.41 53.46 0 top
GND_VIA#1903  VAL**  [GND_VIA]  110.41 52.46 0 top
GND_VIA#1904  VAL**  [GND_VIA]  110.43 49.56 0 top
GND_VIA#1905  VAL**  [GND_VIA]  110.43 45.44 0 top
GND_VIA#1906  VAL**  [GND_VIA]  110.43 46.44 0 top
GND_VIA#1907  VAL**  [GND_VIA]  110.43 48.44 0 top
GND_VIA#1908  VAL**  [GND_VIA]  110.43 47.44 0 top
GND_VIA#1909  VAL**  [GND_VIA]  110.43 44.44 0 top
GND_VIA#1910  VAL**  [GND_VIA]  110.4 85.07 0 top
GND_VIA#1911  VAL**  [GND_VIA]  110.4 82.17 0 top
GND_VIA#1912  VAL**  [GND_VIA]  110.4 84.17 0 top
GND_VIA#1913  VAL**  [GND_VIA]  110.4 83.17 0 top
GND_VIA#1914  VAL**  [GND_VIA]  110.4 85.97 0 top
GND_VIA#1915  VAL**  [GND_VIA]  110.4 81.11 0 top
GND_VIA#1916  VAL**  [GND_VIA]  110.4 80.11 0 top
GND_VIA#1917  VAL**  [GND_VIA]  110.87 79.25 0 top
GND_VIA#1918  VAL**  [GND_VIA]  111.73 78.45 0 top
GND_VIA#1919  VAL**  [GND_VIA]  37.24 128.34 0 top
GND_VIA#1920  VAL**  [GND_VIA]  112.55 20.35 0 top
GND_VIA#1921  VAL**  [GND_VIA]  111.58 20.4 0 top
GND_VIA#1922  VAL**  [GND_VIA]  114.08 23.32 0 top
GND_VIA#1923  VAL**  [GND_VIA]  114.09 22.61 0 top
GND_VIA#1924  VAL**  [GND_VIA]  113.53 30.42 0 top
GND_VIA#1925  VAL**  [GND_VIA]  106.75 137.92 0 top
GND_VIA#1926  VAL**  [GND_VIA]  106.75 135.72 0 top
GND_VIA#1927  VAL**  [GND_VIA]  105.35 135.72 0 top
GND_VIA#1928  VAL**  [GND_VIA]  105.35 137.92 0 top
GND_VIA#1929  VAL**  [GND_VIA]  102.56 137.92 0 top
GND_VIA#1930  VAL**  [GND_VIA]  102.56 135.72 0 top
GND_VIA#1931  VAL**  [GND_VIA]  103.95 135.72 0 top
GND_VIA#1932  VAL**  [GND_VIA]  103.95 137.92 0 top
GND_VIA#1933  VAL**  [GND_VIA]  98.37 137.92 0 top
GND_VIA#1934  VAL**  [GND_VIA]  98.37 135.72 0 top
GND_VIA#1935  VAL**  [GND_VIA]  96.97 135.72 0 top
GND_VIA#1936  VAL**  [GND_VIA]  96.97 137.92 0 top
GND_VIA#1937  VAL**  [GND_VIA]  99.76 137.92 0 top
GND_VIA#1938  VAL**  [GND_VIA]  99.76 135.72 0 top
GND_VIA#1939  VAL**  [GND_VIA]  101.16 135.72 0 top
GND_VIA#1940  VAL**  [GND_VIA]  101.16 137.92 0 top
GND_VIA#1941  VAL**  [GND_VIA]  91.76 135.73 0 top
GND_VIA#1942  VAL**  [GND_VIA]  91.76 137.93 0 top
GND_VIA#1943  VAL**  [GND_VIA]  94.18 137.92 0 top
GND_VIA#1944  VAL**  [GND_VIA]  94.18 135.72 0 top
GND_VIA#1945  VAL**  [GND_VIA]  95.57 135.72 0 top
GND_VIA#1946  VAL**  [GND_VIA]  95.57 137.92 0 top
GND_VIA#1947  VAL**  [GND_VIA]  113.73 137.92 0 top
GND_VIA#1948  VAL**  [GND_VIA]  113.73 135.72 0 top
GND_VIA#1949  VAL**  [GND_VIA]  115.05 135.72 0 top
GND_VIA#1950  VAL**  [GND_VIA]  109.54 137.92 0 top
GND_VIA#1951  VAL**  [GND_VIA]  109.54 135.72 0 top
GND_VIA#1952  VAL**  [GND_VIA]  108.15 135.72 0 top
GND_VIA#1953  VAL**  [GND_VIA]  108.15 137.92 0 top
GND_VIA#1954  VAL**  [GND_VIA]  110.94 137.92 0 top
GND_VIA#1955  VAL**  [GND_VIA]  110.94 135.72 0 top
GND_VIA#1956  VAL**  [GND_VIA]  112.34 135.72 0 top
GND_VIA#1957  VAL**  [GND_VIA]  112.34 137.92 0 top
GND_VIA#1958  VAL**  [GND_VIA]  93.87 25.08 0 top
GND_VIA#1959  VAL**  [GND_VIA]  91.62 23.2 0 top